# Altium PCB V1_PCB-main.PcbDoc (part 6 of 7) (continued)
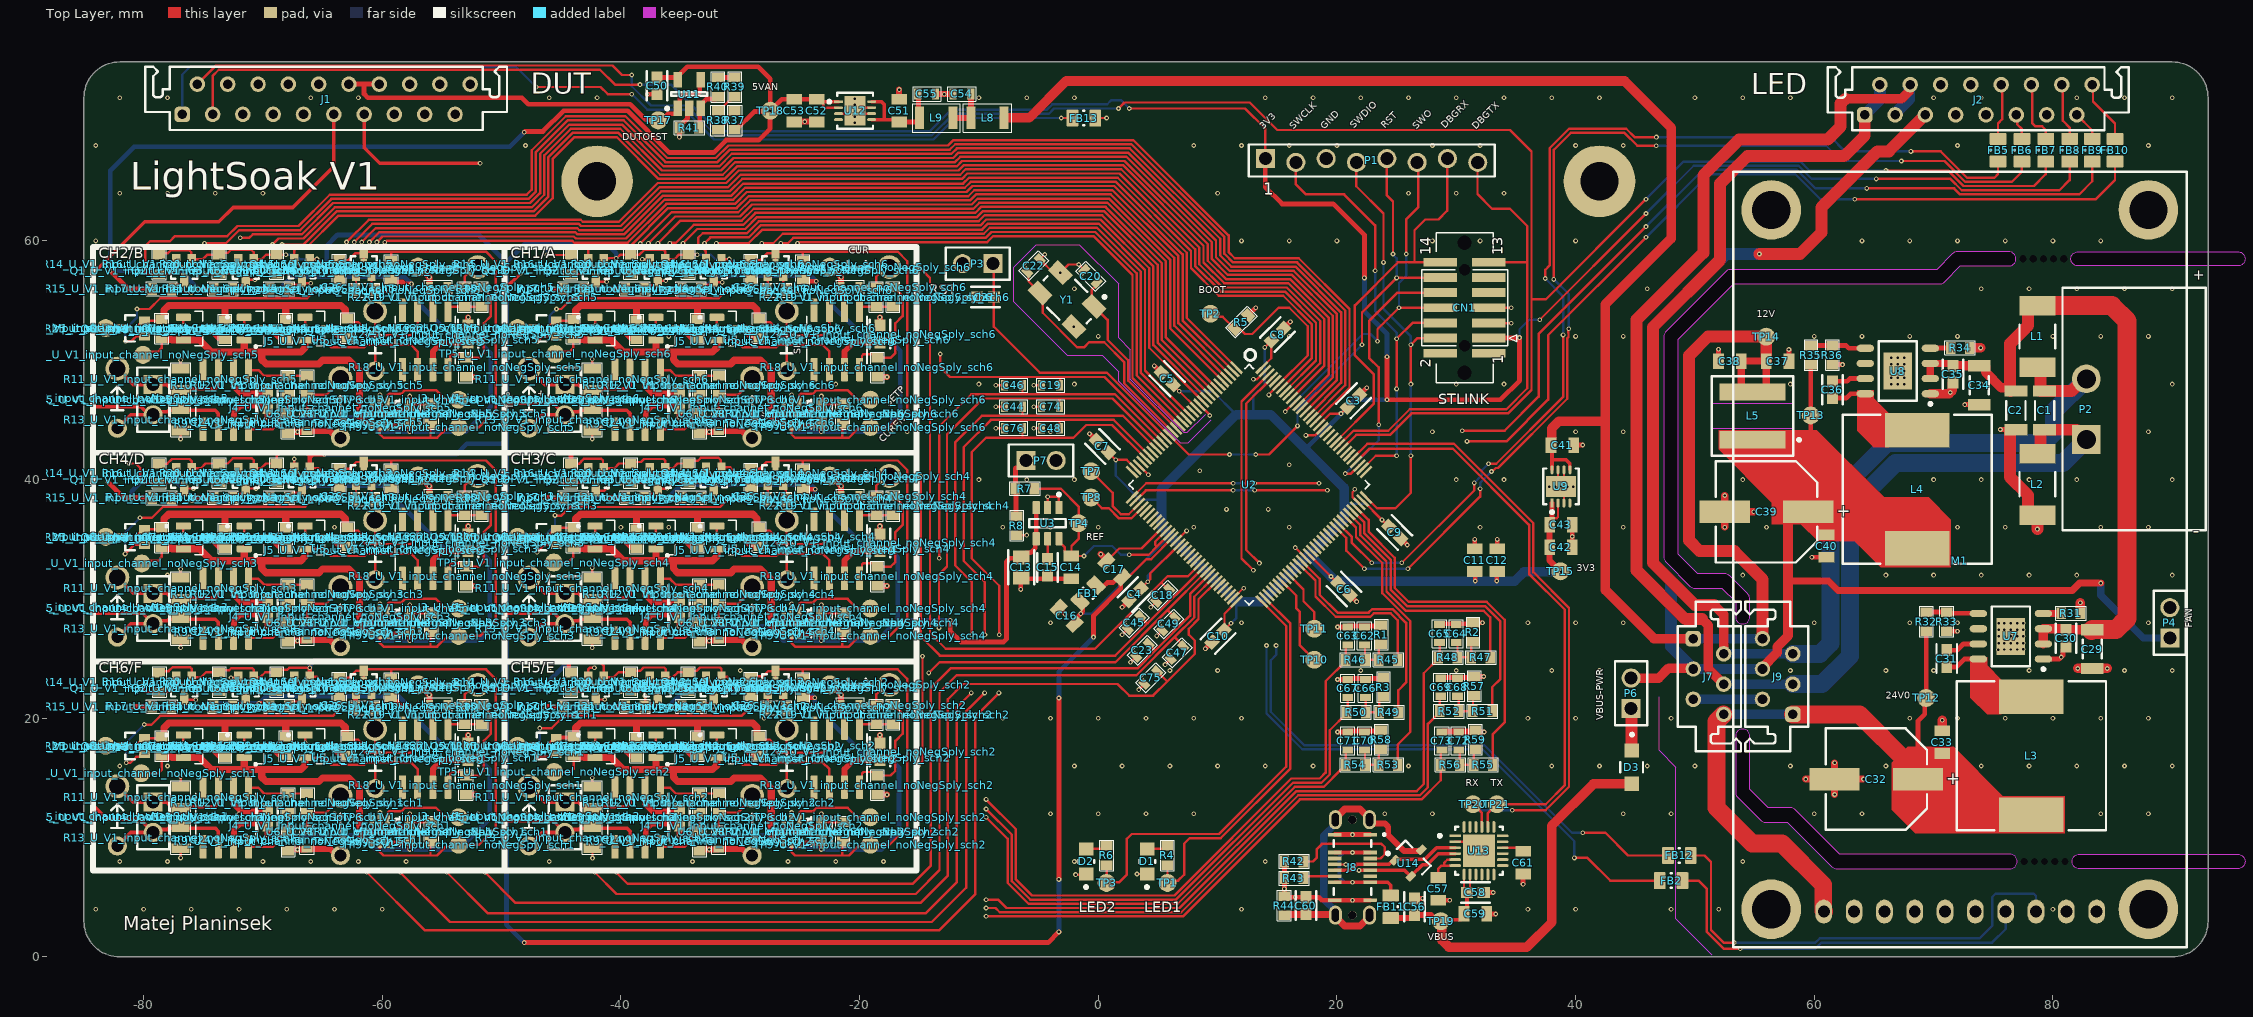
[diagram p0: Top Layer view]
## Nets (pads, with @x,y where several pads share a name; then routed paths per layer and width w, separated by ;. In a path a pad name is that pad's centre, name@x,y a point inside that pad or via, vN(x,y) a via of type N, cw(c..) or ccw(c..) an arc to the next point about the centre after c; other vN are vias at no path point) (continued)
  Top Layer w0.2: U5_U_V1_input_channel_noNegSply_sch6.1@-19.995,54.175 -19.995,54.305 -19.8,54.5 R22_U_V1_input_channel_noNegSply_sch6.2@-18.6,54.5 R19_U_V1_input_channel_noNegSply_sch6.1@-17.2,54.5
NetR31_2: R31.2 U7.4 | length 1.5
  Top Layer w0.6: U7.4@79.2,28.77 80.67,28.77 R31.2@80.7,28.8
NetR32_1: R32.1 R33.2 U7.5 | length 4.4
  Top Layer w0.4: R32.1@69.4,28.9 R33.2@71.1,28.9 71.192,28.808 73.712,28.808 U7.5@73.75,28.77
NetR34_2: R34.2 U8.4 | length 1.7
  Top Layer w0.4: U8.4@69.725,51.005 69.74,51.02 71.41,51.02 R34.2@71.425,51.035
NetR35_1: R35.1 R36.2 U8.5 | length 4.6
  Top Layer w0.4: R35.1@59.725,51.235 R36.2@61.525,51.235 62.665,51.235 62.895,51.005 U8.5@64.275,51.005
NetR37_2: R37.2 R38.2 | length 2.3
  Top Layer w0.2: R38.2@-31.875,69.3 -31.775,69.3 -31.2,69.875 -31.2,70.275 -30.575,70.9 R37.2@-30.475,70.9
NetR38_1: R38.1 R39.1 | length 1.9
  Top Layer w0.2: R38.1@-31.875,70.9 -31.775,70.9 -30.875,71.8 -30.775,71.8 R39.1@-30.475,72.1
NetR39_2: R39.2 R40.2 | length 1.4
  Top Layer w0.4: R40.2@-31.875,73.7 R39.2@-30.475,73.7
NetR40_1: R40.1 R41.2 U11.3 | length 3.7
  Top Layer w0.4: R41.2@-33.475,69.5 -33.4,69.575 -33.4,71.025 U11.3@-33.325,71.1 -33.325,71.4 -32.825,71.9 -32.075,71.9 R40.1@-31.875,72.1
PWM-SETP-1: R45.2 U2.76 | length 14.3
  Top Layer w0.2: U2.76@17.016,32.716 18.2,31.531 18.2,30.2 19.9,28.5 22.8,28.5 23.1,28.8 24.5,28.8 25.1,28.2 R45.2@25.1,24.9
PWM-SETP-2: R47.2 U2.91 | length 20.7
  Top Layer w0.2: U2.91@21.032,37.11 21.95,36.192 21.95,35.35 24.15,33.15 24.15,30.635 25.785,29 32.3,29 32.85,28.45 R47.2@32.85,25.1
PWM-SETP-3: R49.2 U2.77 | length 19.7
  Top Layer w0.2: U2.77@17.084,33.162 18.55,31.696 18.55,30.345 20.045,28.85 22.655,28.85 22.955,29.15 24.645,29.15 25.8,27.995 25.8,23 25.15,22.35 R49.2@25.15,20.5
PWM-SETP-4: R51.2 U2.92 | length 26
  Top Layer w0.2: U2.92@21.314,37.392 22.3,36.406 22.3,35.495 24.5,33.295 24.5,30.78 25.88,29.4 32.4,29.4 33.7,28.1 33.7,23.3 33,22.6 R51.2@33,20.6
PWM-SETP-5: R53.2 U2.90 | length 23.4
  Top Layer w0.2: U2.90@20.75,36.828 21.6,35.978 21.6,35.2 23.8,33 23.8,30.49 26.15,28.14 26.15,18.85 25.1,17.8 R53.2@25.1,16.1
PWM-SETP-6: R55.2 U2.93 | length 31
  Top Layer w0.2: U2.93@21.596,37.674 22.65,36.62 22.65,35.64 24.85,33.44 24.85,30.925 26.025,29.75 32.55,29.75 34.05,28.25 34.05,19.65 33.05,18.65 R55.2@33.05,16.1
PWRGND: C1.2 J2.3 J2.4 J7.4 J9.3 L2.1 P2.1 | length 126.2
  Top Layer w0.8: 50.6,28.3 51.1,27.8 51.1,24.176 52.4,22.876 J7.4@52.4,22.86 ; 62.6,71.9 67.3,71.9 67.944,72.544 67.944,73.004 J2.4@68.04,73.1
  Top Layer w1: 50.6,28.3 49.2,28.3 45.1,32.4 45.1,53.4 50.7,59 50.7,65.5 53.7,68.5 61.116,68.5 62.2,69.584 62.2,71.5 62.6,71.9 ; L2.1@78.7,42.175 78.95,42.425 78.95,44.152 78.973,44.174 C1.2@79.3,44.174 81.986,44.174 P2.1@82.8,43.36
  Bottom Layer w0.8: J7.4@52.4,22.86 J9.3@58.2,22.86
  Bottom Layer w1: J2.3@66.77,70.56 66.77,70.695 67.944,71.87 67.944,73.004 J2.4@68.04,73.1
  Bottom Layer w1.5: J9.3@58.2,22.86 60.66,22.86 63,25.2 63,37.6 66.8,41.4 80.84,41.4 P2.1@82.8,43.36
RNG-1X_U_V1_input_channel_noNegSply_sch1: Q3_U_V1_input_channel_noNegSply_sch1.3 Q8_U_V1_input_channel_noNegSply_sch1.1 R21_U_V1_input_channel_noNegSply_sch1.1 | length 6.4
  Top Layer w0.2: R21_U_V1_input_channel_noNegSply_sch1.1@-67.825,21 -67.825,21.1 -67.525,21.4 -66.9,21.4 Q3_U_V1_input_channel_noNegSply_sch1.3@-66.725,21.575 Q3_U_V1_input_channel_noNegSply_sch1.3@-66.725,22.2 ; v1(-66.725,20.775) Q3_U_V1_input_channel_noNegSply_sch1.3@-66.725,21.575 ; v1(-66.467,17.933) Q8_U_V1_input_channel_noNegSply_sch1.1@-66.467,18.603
  Inner layer 2 w0.2: v1(-66.725,20.775) -66.725,18.246 -66.467,17.988 v1(-66.467,17.933)
RNG-1X_U_V1_input_channel_noNegSply_sch2: Q3_U_V1_input_channel_noNegSply_sch2.3 Q8_U_V1_input_channel_noNegSply_sch2.1 R21_U_V1_input_channel_noNegSply_sch2.1 | length 6.4
  Top Layer w0.2: R21_U_V1_input_channel_noNegSply_sch2.1@-33.325,21 -33.1,21.225 -32.475,21.225 -32.225,21.475 Q3_U_V1_input_channel_noNegSply_sch2.3@-32.225,21.575 ; Q3_U_V1_input_channel_noNegSply_sch2.3@-32.225,22.2 Q3_U_V1_input_channel_noNegSply_sch2.3@-32.225,21.575 ; v1(-32.2,20.725) -32.2,21.55 Q3_U_V1_input_channel_noNegSply_sch2.3@-32.225,21.575 ; v1(-31.967,17.933) Q8_U_V1_input_channel_noNegSply_sch2.1@-31.967,18.603
  Inner layer 2 w0.2: v1(-32.2,20.725) -32.2,20.671 -31.967,20.437 v1(-31.967,17.933)
RNG-1X_U_V1_input_channel_noNegSply_sch3: Q3_U_V1_input_channel_noNegSply_sch3.3 Q8_U_V1_input_channel_noNegSply_sch3.1 R21_U_V1_input_channel_noNegSply_sch3.1 | length 6.7
  Top Layer w0.2: v1(-66.811,38.211) -67.536,38.211 R21_U_V1_input_channel_noNegSply_sch3.1@-67.825,38.5 -67.825,38.6 -67.525,38.9 -66.9,38.9 Q3_U_V1_input_channel_noNegSply_sch3.3@-66.725,39.075 Q3_U_V1_input_channel_noNegSply_sch3.3@-66.725,39.7 ; v1(-66.467,35.433) Q8_U_V1_input_channel_noNegSply_sch3.1@-66.467,36.103
  Inner layer 2 w0.2: v1(-66.811,38.211) -66.811,38.193 -66.467,37.849 v1(-66.467,35.433)
RNG-1X_U_V1_input_channel_noNegSply_sch4: Q3_U_V1_input_channel_noNegSply_sch4.3 Q8_U_V1_input_channel_noNegSply_sch4.1 R21_U_V1_input_channel_noNegSply_sch4.1 | length 6.3
  Top Layer w0.2: R21_U_V1_input_channel_noNegSply_sch4.1@-33.325,38.5 -33.075,38.25 v1(-32.2,38.25) -32.2,39.05 Q3_U_V1_input_channel_noNegSply_sch4.3@-32.225,39.075 Q3_U_V1_input_channel_noNegSply_sch4.3@-32.225,39.7 ; v1(-31.967,35.433) Q8_U_V1_input_channel_noNegSply_sch4.1@-31.967,36.103
  Inner layer 2 w0.2: v1(-32.2,38.25) -32.2,38.196 -31.967,37.962 v1(-31.967,35.433)
RNG-1X_U_V1_input_channel_noNegSply_sch5: Q3_U_V1_input_channel_noNegSply_sch5.3 Q8_U_V1_input_channel_noNegSply_sch5.1 R21_U_V1_input_channel_noNegSply_sch5.1 | length 7.1
  Top Layer w0.2: R21_U_V1_input_channel_noNegSply_sch5.1@-67.825,56 -67.825,56.025 -67.525,56.325 -66.975,56.325 Q3_U_V1_input_channel_noNegSply_sch5.3@-66.725,56.575 ; Q3_U_V1_input_channel_noNegSply_sch5.3@-66.725,57.2 Q3_U_V1_input_channel_noNegSply_sch5.3@-66.725,56.575 ; v1(-66.467,52.933) Q8_U_V1_input_channel_noNegSply_sch5.1@-66.467,53.603 ; v1(-66,56.45) -66.6,56.45 Q3_U_V1_input_channel_noNegSply_sch5.3@-66.725,56.575
  Inner layer 2 w0.2: v1(-66.467,52.933) -66,53.4 v1(-66,56.45)
RNG-1X_U_V1_input_channel_noNegSply_sch6: Q3_U_V1_input_channel_noNegSply_sch6.3 Q8_U_V1_input_channel_noNegSply_sch6.1 R21_U_V1_input_channel_noNegSply_sch6.1 | length 7.2
  Top Layer w0.2: R21_U_V1_input_channel_noNegSply_sch6.1@-33.325,56 -33.325,56.025 -33.025,56.325 -32.475,56.325 Q3_U_V1_input_channel_noNegSply_sch6.3@-32.225,56.575 ; Q3_U_V1_input_channel_noNegSply_sch6.3@-32.225,57.2 Q3_U_V1_input_channel_noNegSply_sch6.3@-32.225,56.575 ; v1(-31.967,52.933) Q8_U_V1_input_channel_noNegSply_sch6.1@-31.967,53.603 ; v1(-31.5,56.525) -32.175,56.525 Q3_U_V1_input_channel_noNegSply_sch6.3@-32.225,56.575
  Inner layer 2 w0.2: v1(-31.967,52.933) -31.5,53.4 v1(-31.5,56.525)
RNG-10X_U_V1_input_channel_noNegSply_sch1: Q2_U_V1_input_channel_noNegSply_sch1.3 Q7_U_V1_input_channel_noNegSply_sch1.1 R17_U_V1_input_channel_noNegSply_sch1.1 | length 6.4
  Top Layer w0.2: R17_U_V1_input_channel_noNegSply_sch1.1@-72.525,21 -72.325,21.2 -71.675,21.2 -71.425,21.45 Q2_U_V1_input_channel_noNegSply_sch1.3@-71.425,21.55 ; v1(-71.567,17.933) Q7_U_V1_input_channel_noNegSply_sch1.1@-71.567,18.603 ; Q2_U_V1_input_channel_noNegSply_sch1.3@-71.425,22.175 Q2_U_V1_input_channel_noNegSply_sch1.3@-71.425,21.55 ; v1(-71.4,20.7) -71.4,21.525 Q2_U_V1_input_channel_noNegSply_sch1.3@-71.425,21.55
  Inner layer 2 w0.2: v1(-71.567,17.933) -71.567,20.1 -71.438,20.228 -71.438,20.662 v1(-71.4,20.7)
RNG-10X_U_V1_input_channel_noNegSply_sch2: Q2_U_V1_input_channel_noNegSply_sch2.3 Q7_U_V1_input_channel_noNegSply_sch2.1 R17_U_V1_input_channel_noNegSply_sch2.1 | length 7.8
  Top Layer w0.2: R17_U_V1_input_channel_noNegSply_sch2.1@-38.025,21 R17_U_V1_input_channel_noNegSply_sch2.1@-37.975,21.05 ; v1(-37.975,21.875) R17_U_V1_input_channel_noNegSply_sch2.1@-37.975,21.05 ; v1(-37.067,17.933) Q7_U_V1_input_channel_noNegSply_sch2.1@-37.067,18.603 ; Q2_U_V1_input_channel_noNegSply_sch2.3@-36.925,22.175 Q2_U_V1_input_channel_noNegSply_sch2.3@-36.925,21.55 -36.925,21.45 -37.175,21.2 -37.825,21.2 R17_U_V1_input_channel_noNegSply_sch2.1@-37.975,21.05
  Inner layer 2 w0.2: v1(-37.975,21.875) -37.067,20.967 v1(-37.067,17.933)
RNG-10X_U_V1_input_channel_noNegSply_sch3: Q2_U_V1_input_channel_noNegSply_sch3.3 Q7_U_V1_input_channel_noNegSply_sch3.1 R17_U_V1_input_channel_noNegSply_sch3.1 | length 8.1
  Top Layer w0.2: R17_U_V1_input_channel_noNegSply_sch3.1@-72.525,38.5 -72.225,38.8 -71.675,38.8 Q2_U_V1_input_channel_noNegSply_sch3.3@-71.425,39.05 ; v1(-71.567,35.433) Q7_U_V1_input_channel_noNegSply_sch3.1@-71.567,36.103 ; Q2_U_V1_input_channel_noNegSply_sch3.3@-71.425,39.675 Q2_U_V1_input_channel_noNegSply_sch3.3@-71.425,39.05 ; v1(-70.575,39.25) -71.225,39.25 Q2_U_V1_input_channel_noNegSply_sch3.3@-71.425,39.05
  Inner layer 2 w0.2: v1(-71.567,35.433) -71.567,38.758 -71.075,39.25 v1(-70.575,39.25)
RNG-10X_U_V1_input_channel_noNegSply_sch4: Q2_U_V1_input_channel_noNegSply_sch4.3 Q7_U_V1_input_channel_noNegSply_sch4.1 R17_U_V1_input_channel_noNegSply_sch4.1 | length 8
  Top Layer w0.2: R17_U_V1_input_channel_noNegSply_sch4.1@-38.025,38.5 -38.025,38.508 -37.725,38.808 -37.167,38.808 Q2_U_V1_input_channel_noNegSply_sch4.3@-36.925,39.05 ; v1(-37.067,35.433) Q7_U_V1_input_channel_noNegSply_sch4.1@-37.067,36.103 ; Q2_U_V1_input_channel_noNegSply_sch4.3@-36.925,39.675 Q2_U_V1_input_channel_noNegSply_sch4.3@-36.925,39.05 ; v1(-36.125,39.275) -36.179,39.275 -36.224,39.23 -36.745,39.23 Q2_U_V1_input_channel_noNegSply_sch4.3@-36.925,39.05
  Inner layer 2 w0.2: v1(-37.067,35.433) -37.067,38.808 -36.638,39.237 -36.163,39.237 v1(-36.125,39.275)
RNG-10X_U_V1_input_channel_noNegSply_sch5: Q2_U_V1_input_channel_noNegSply_sch5.3 Q7_U_V1_input_channel_noNegSply_sch5.1 R17_U_V1_input_channel_noNegSply_sch5.1 | length 7.9
  Top Layer w0.2: R17_U_V1_input_channel_noNegSply_sch5.1@-72.525,56 -72.225,56.3 -71.675,56.3 Q2_U_V1_input_channel_noNegSply_sch5.3@-71.425,56.55 ; v1(-71.567,52.933) Q7_U_V1_input_channel_noNegSply_sch5.1@-71.567,53.603 ; Q2_U_V1_input_channel_noNegSply_sch5.3@-71.425,57.175 Q2_U_V1_input_channel_noNegSply_sch5.3@-71.425,56.55 ; v1@-70.685,56.75 -71.225,56.75 Q2_U_V1_input_channel_noNegSply_sch5.3@-71.425,56.55
  Inner layer 2 w0.2: v1(-71.567,52.933) -71.567,56.333 -71.15,56.75 v1(-70.675,56.75)
RNG-10X_U_V1_input_channel_noNegSply_sch6: Q2_U_V1_input_channel_noNegSply_sch6.3 Q7_U_V1_input_channel_noNegSply_sch6.1 R17_U_V1_input_channel_noNegSply_sch6.1 | length 7.4
  Top Layer w0.2: R17_U_V1_input_channel_noNegSply_sch6.1@-38.025,56 -37.725,56.3 -37.175,56.3 Q2_U_V1_input_channel_noNegSply_sch6.3@-36.925,56.55 ; v1(-37.067,52.933) Q7_U_V1_input_channel_noNegSply_sch6.1@-37.067,53.603 ; Q2_U_V1_input_channel_noNegSply_sch6.3@-36.925,57.175 Q2_U_V1_input_channel_noNegSply_sch6.3@-36.925,56.55 ; v1(-36.25,56.675) -36.8,56.675 Q2_U_V1_input_channel_noNegSply_sch6.3@-36.925,56.55
  Inner layer 2 w0.2: v1(-37.067,52.933) -36.658,53.342 -36.658,56.267 v1(-36.25,56.675)
RNG-100X_U_V1_input_channel_noNegSply_sch1: Q1_U_V1_input_channel_noNegSply_sch1.3 Q6_U_V1_input_channel_noNegSply_sch1.1 R15_U_V1_input_channel_noNegSply_sch1.1 | length 7.7
  Top Layer w0.2: R15_U_V1_input_channel_noNegSply_sch1.1@-77.675,20.975 -77.45,21.2 -76.85,21.2 -76.6,21.45 Q1_U_V1_input_channel_noNegSply_sch1.3@-76.6,21.55 ; v1(-76.667,17.933) Q6_U_V1_input_channel_noNegSply_sch1.1@-76.667,18.603 ; Q1_U_V1_input_channel_noNegSply_sch1.3@-76.6,22.175 Q1_U_V1_input_channel_noNegSply_sch1.3@-76.6,21.55 ; v1(-75.625,21.55) Q1_U_V1_input_channel_noNegSply_sch1.3@-76.6,21.55
  Inner layer 2 w0.2: v1(-76.667,17.933) -75.625,18.975 v1(-75.625,21.55)
RNG-100X_U_V1_input_channel_noNegSply_sch2: Q1_U_V1_input_channel_noNegSply_sch2.3 Q6_U_V1_input_channel_noNegSply_sch2.1 R15_U_V1_input_channel_noNegSply_sch2.1 | length 7.4
  Top Layer w0.2: R15_U_V1_input_channel_noNegSply_sch2.1@-43.175,20.975 -42.875,21.275 -42.35,21.275 -42.1,21.525 Q1_U_V1_input_channel_noNegSply_sch2.3@-42.1,21.55 ; v1(-42.167,17.933) Q6_U_V1_input_channel_noNegSply_sch2.1@-42.167,18.603 ; Q1_U_V1_input_channel_noNegSply_sch2.3@-42.1,22.175 Q1_U_V1_input_channel_noNegSply_sch2.3@-42.1,21.55 ; v1(-41.35,21.575) -42.075,21.575 Q1_U_V1_input_channel_noNegSply_sch2.3@-42.1,21.55
  Inner layer 2 w0.2: v1(-42.167,17.933) -41.35,18.75 v1(-41.35,21.575)
RNG-100X_U_V1_input_channel_noNegSply_sch3: Q1_U_V1_input_channel_noNegSply_sch3.3 Q6_U_V1_input_channel_noNegSply_sch3.1 R15_U_V1_input_channel_noNegSply_sch3.1 | length 7.9
  Top Layer w0.2: R15_U_V1_input_channel_noNegSply_sch3.1@-77.675,38.475 -77.675,38.5 -77.375,38.8 -76.85,38.8 Q1_U_V1_input_channel_noNegSply_sch3.3@-76.6,39.05 ; v1(-76.667,35.433) Q6_U_V1_input_channel_noNegSply_sch3.1@-76.667,36.103 ; Q1_U_V1_input_channel_noNegSply_sch3.3@-76.6,39.675 Q1_U_V1_input_channel_noNegSply_sch3.3@-76.6,39.05 ; v1(-75.825,39.25) -76.4,39.25 Q1_U_V1_input_channel_noNegSply_sch3.3@-76.6,39.05
  Inner layer 2 w0.2: v1(-76.667,35.433) -75.5,36.6 -75.5,38.871 -75.825,39.196 v1(-75.825,39.25)
RNG-100X_U_V1_input_channel_noNegSply_sch4: Q1_U_V1_input_channel_noNegSply_sch4.3 Q6_U_V1_input_channel_noNegSply_sch4.1 R15_U_V1_input_channel_noNegSply_sch4.1 | length 8.4
  Top Layer w0.2: R15_U_V1_input_channel_noNegSply_sch4.1@-43.175,38.475 -42.875,38.775 -42.35,38.775 -42.1,39.025 Q1_U_V1_input_channel_noNegSply_sch4.3@-42.1,39.05 ; v1(-42.167,35.433) Q6_U_V1_input_channel_noNegSply_sch4.1@-42.167,36.103 ; Q1_U_V1_input_channel_noNegSply_sch4.3@-42.1,39.675 Q1_U_V1_input_channel_noNegSply_sch4.3@-42.1,39.05 ; v1(-41.1,39.325) -41.154,39.325 -41.429,39.05 Q1_U_V1_input_channel_noNegSply_sch4.3@-42.1,39.05
  Inner layer 2 w0.2: v1(-42.167,35.433) -42.167,38.808 -41.65,39.325 v1(-41.1,39.325)
RNG-100X_U_V1_input_channel_noNegSply_sch5: Q1_U_V1_input_channel_noNegSply_sch5.3 Q6_U_V1_input_channel_noNegSply_sch5.1 R15_U_V1_input_channel_noNegSply_sch5.1 | length 7
  Top Layer w0.2: R15_U_V1_input_channel_noNegSply_sch5.1@-77.675,55.975 -77.675,56.025 -77.375,56.325 -76.825,56.325 Q1_U_V1_input_channel_noNegSply_sch5.3@-76.6,56.55 ; v1(-76.667,52.933) Q6_U_V1_input_channel_noNegSply_sch5.1@-76.667,53.603 ; Q1_U_V1_input_channel_noNegSply_sch5.3@-76.6,57.175 Q1_U_V1_input_channel_noNegSply_sch5.3@-76.6,56.55 ; v1(-76,55.65) -76.038,55.688 -76.438,55.688 -76.6,55.85 Q1_U_V1_input_channel_noNegSply_sch5.3@-76.6,56.55
  Inner layer 2 w0.2: v1(-76.667,52.933) -76,53.6 v1(-76,55.65)
RNG-100X_U_V1_input_channel_noNegSply_sch6: Q1_U_V1_input_channel_noNegSply_sch6.3 Q6_U_V1_input_channel_noNegSply_sch6.1 R15_U_V1_input_channel_noNegSply_sch6.1 | length 7.9
  Top Layer w0.2: R15_U_V1_input_channel_noNegSply_sch6.1@-43.175,55.975 -43.175,56 -42.875,56.3 -42.35,56.3 Q1_U_V1_input_channel_noNegSply_sch6.3@-42.1,56.55 ; v1(-42.167,52.933) Q6_U_V1_input_channel_noNegSply_sch6.1@-42.167,53.603 ; Q1_U_V1_input_channel_noNegSply_sch6.3@-42.1,57.175 Q1_U_V1_input_channel_noNegSply_sch6.3@-42.1,56.55 ; v1(-41.2,56.575) -42.075,56.575 Q1_U_V1_input_channel_noNegSply_sch6.3@-42.1,56.55
  Inner layer 2 w0.2: v1(-42.167,52.933) -42.167,56.058 -41.612,56.613 -41.238,56.613 v1(-41.2,56.575)
TEC-RX: FB2.2 U2.125 | length 69.3
  Top Layer w0.2: v1(13.5,33) 12.4,34.1 12.4,46.381 U2.125@14.546,48.527 ; v1(39.9,8.3) 41,8.3 42.9,6.4 FB2.2@47.05,6.4
  Inner layer 2 w0.2: v1(13.5,33) 14.1,32.4 v1(14.1,26.1)
  Bottom Layer w0.2: v1(14.1,26.1) 14.1,20.4 17.1,17.4 32.2,17.4 39.9,9.7 v1(39.9,8.3)
TEC-TX: FB12.2 U2.126 | length 71
  Top Layer w0.2: v1(13,32.4) 12,33.4 12,46.545 U2.126@14.264,48.809 ; v1(40.6,10.4) 42.5,10.4 44.4,8.5 FB12.2@47.75,8.5
  Inner layer 2 w0.2: v1(13,32.4) 13.75,31.65 13.75,27.2 13.4,26.85 13.4,25.9 13.9,25.4 14.7,25.4 14.9,25.6 v1(14.9,26.1)
  Bottom Layer w0.2: v1(14.9,26.1) 14.9,25.3 14.45,24.85 14.45,20.545 17.245,17.75 32.35,17.75 39.7,10.4 v1(40.6,10.4)
TEMP-SNS-ONEWIRE: FB7.1 J1.2 U2.104 | length 206.3
  Top Layer w0.2: J1.2@-75.49,73.14 -73.93,74.7 -40.7,74.7 -39.9,73.9 v1(-39.1,73.9) ; v1(1.7,71.1) 2.2,71.6 12.7,71.6 15,69.3 34.5,69.3 36.3,67.5 36.3,61.395 36.3,55.1 ; U2.104@20.468,42.605 21.612,43.75 24.45,43.75 26.25,45.55 34.345,45.55 36.3,47.505 36.3,55.1 ; v1(45.9,63.5) 37.5,55.1 36.3,55.1 ; v1(66,65.9) 71.21,65.9 72.51,64.6 78.4,64.6 79.4,65.6 FB7.1@79.4,66.65
  Bottom Layer w0.2: v1(-39.1,73.9) -39.1,72.964 -37.486,71.35 -34.55,71.35 -32.05,68.85 -13.945,68.85 -12.145,70.65 -4.15,70.65 -3.7,71.1 v1(1.7,71.1) ; v1(45.9,63.5) 49.05,66.65 58.835,66.65 59.585,65.9 v1(66,65.9)
UI-EN_U_V1_input_channel_noNegSply_sch1: Q4_U_V1_input_channel_noNegSply_sch1.3 R24_U_V1_input_channel_noNegSply_sch1.1 R27_U_V1_input_channel_noNegSply_sch1.2 R30_U_V1_input_channel_noNegSply_sch1.1 TP9_U_V1_input_channel_noNegSply_sch1.1 U6_U_V1_input_channel_noNegSply_sch1.5 | length 40.9
  Top Layer w0.2: R30_U_V1_input_channel_noNegSply_sch1.1@-63.5,23.5 R30_U_V1_input_channel_noNegSply_sch1.1@-63.6,23.4 -62.775,23.4 -62.2,23.975 Q4_U_V1_input_channel_noNegSply_sch1.3@-61.55,23.975 ; Q4_U_V1_input_channel_noNegSply_sch1.3@-61.55,23.35 Q4_U_V1_input_channel_noNegSply_sch1.3@-61.55,23.975 ; U6_U_V1_input_channel_noNegSply_sch1.5@-60.2,9.55 -60.2,8.8 -59.9,8.5 -55.961,8.5 ; R24_U_V1_input_channel_noNegSply_sch1.1@-58.95,23.65 R24_U_V1_input_channel_noNegSply_sch1.1@-59.25,23.35 -59.25,24.05 -59.2,24.1 ; R27_U_V1_input_channel_noNegSply_sch1.2@-55.9,9.7 -55.961,9.639 -55.961,8.5 ; Q4_U_V1_input_channel_noNegSply_sch1.3@-61.55,23.975 -61.425,24.1 -59.2,24.1 ; -59.2,24.1 -51.3,24.1 -50.5,23.3 -50.5,10.8 -51.9,9.4 TP9_U_V1_input_channel_noNegSply_sch1.1@-53.6,9.4 -53.75,9.25 -54.65,9.25 -55.4,8.5 -55.961,8.5
UI-EN_U_V1_input_channel_noNegSply_sch2: Q4_U_V1_input_channel_noNegSply_sch2.3 R24_U_V1_input_channel_noNegSply_sch2.1 R27_U_V1_input_channel_noNegSply_sch2.2 R30_U_V1_input_channel_noNegSply_sch2.1 TP9_U_V1_input_channel_noNegSply_sch2.1 U6_U_V1_input_channel_noNegSply_sch2.5 | length 40.3
  Top Layer w0.2: R30_U_V1_input_channel_noNegSply_sch2.1@-29.1,23.4 -28.975,23.525 -28.075,23.525 -27.65,23.95 -27.075,23.95 Q4_U_V1_input_channel_noNegSply_sch2.3@-27.05,23.975 ; Q4_U_V1_input_channel_noNegSply_sch2.3@-27.05,23.35 -27.05,23.875 Q4_U_V1_input_channel_noNegSply_sch2.3@-27.05,23.975 ; U6_U_V1_input_channel_noNegSply_sch2.5@-25.7,9.55 -25.7,8.8 -25.4,8.5 -21.461,8.5 ; R24_U_V1_input_channel_noNegSply_sch2.1@-24.75,23.35 -24.75,24.05 -24.7,24.1 ; R27_U_V1_input_channel_noNegSply_sch2.2@-21.4,9.7 -21.461,9.639 -21.461,8.5 ; Q4_U_V1_input_channel_noNegSply_sch2.3@-27.05,23.975 -26.925,24.1 -24.7,24.1 ; -24.7,24.1 -16.8,24.1 -16,23.3 -16,10.9 -17.5,9.4 TP9_U_V1_input_channel_noNegSply_sch2.1@-19.1,9.4 -19.25,9.25 -20.15,9.25 -20.9,8.5 -21.461,8.5
UI-EN_U_V1_input_channel_noNegSply_sch3: Q4_U_V1_input_channel_noNegSply_sch3.3 R24_U_V1_input_channel_noNegSply_sch3.1 R27_U_V1_input_channel_noNegSply_sch3.2 R30_U_V1_input_channel_noNegSply_sch3.1 TP9_U_V1_input_channel_noNegSply_sch3.1 U6_U_V1_input_channel_noNegSply_sch3.5 | length 40.4
  Top Layer w0.2: R30_U_V1_input_channel_noNegSply_sch3.1@-63.6,40.9 -62.75,40.9 -62.175,41.475 Q4_U_V1_input_channel_noNegSply_sch3.3@-61.55,41.475 ; Q4_U_V1_input_channel_noNegSply_sch3.3@-61.55,40.85 Q4_U_V1_input_channel_noNegSply_sch3.3@-61.55,41.475 ; U6_U_V1_input_channel_noNegSply_sch3.5@-60.2,27.05 -60.2,26.3 -59.9,26 -55.961,26 ; R24_U_V1_input_channel_noNegSply_sch3.1@-59.25,40.85 -59.25,41.55 -59.3,41.6 ; R27_U_V1_input_channel_noNegSply_sch3.2@-55.9,27.2 -55.961,27.139 -55.961,26 ; Q4_U_V1_input_channel_noNegSply_sch3.3@-61.55,41.475 -61.425,41.6 -59.3,41.6 ; -59.3,41.6 -51.3,41.6 -50.5,40.8 -50.5,28.2 -51.8,26.9 TP9_U_V1_input_channel_noNegSply_sch3.1@-53.6,26.9 -53.75,26.75 -54.65,26.75 -55.4,26 -55.961,26
UI-EN_U_V1_input_channel_noNegSply_sch4: Q4_U_V1_input_channel_noNegSply_sch4.3 R24_U_V1_input_channel_noNegSply_sch4.1 R27_U_V1_input_channel_noNegSply_sch4.2 R30_U_V1_input_channel_noNegSply_sch4.1 TP9_U_V1_input_channel_noNegSply_sch4.1 U6_U_V1_input_channel_noNegSply_sch4.5 | length 40.3
  Top Layer w0.2: R30_U_V1_input_channel_noNegSply_sch4.1@-29.1,40.9 -28.375,40.9 -27.8,41.475 Q4_U_V1_input_channel_noNegSply_sch4.3@-27.05,41.475 ; Q4_U_V1_input_channel_noNegSply_sch4.3@-27.05,40.85 Q4_U_V1_input_channel_noNegSply_sch4.3@-27.05,41.475 ; U6_U_V1_input_channel_noNegSply_sch4.5@-25.7,27.05 -25.7,26.3 -25.4,26 -21.461,26 ; R24_U_V1_input_channel_noNegSply_sch4.1@-24.75,40.85 -24.75,41.575 -24.775,41.6 ; R27_U_V1_input_channel_noNegSply_sch4.2@-21.4,27.2 -21.461,27.139 -21.461,26 ; Q4_U_V1_input_channel_noNegSply_sch4.3@-27.05,41.475 -26.925,41.6 -24.775,41.6 ; -24.775,41.6 -16.8,41.6 -16,40.8 -16,28.4 -17.5,26.9 TP9_U_V1_input_channel_noNegSply_sch4.1@-19.1,26.9 -19.25,26.75 -20.15,26.75 -20.9,26 -21.461,26
UI-EN_U_V1_input_channel_noNegSply_sch5: Q4_U_V1_input_channel_noNegSply_sch5.3 R24_U_V1_input_channel_noNegSply_sch5.1 R27_U_V1_input_channel_noNegSply_sch5.2 R30_U_V1_input_channel_noNegSply_sch5.1 TP9_U_V1_input_channel_noNegSply_sch5.1 U6_U_V1_input_channel_noNegSply_sch5.5 | length 40.3
  Top Layer w0.2: R30_U_V1_input_channel_noNegSply_sch5.1@-63.6,58.4 -62.825,58.4 -62.25,58.975 Q4_U_V1_input_channel_noNegSply_sch5.3@-61.55,58.975 ; Q4_U_V1_input_channel_noNegSply_sch5.3@-61.55,58.35 Q4_U_V1_input_channel_noNegSply_sch5.3@-61.55,58.975 ; U6_U_V1_input_channel_noNegSply_sch5.5@-60.2,44.55 -60.2,43.8 -59.9,43.5 -55.961,43.5 ; R24_U_V1_input_channel_noNegSply_sch5.1@-59.25,58.35 -59.25,59.1 ; R27_U_V1_input_channel_noNegSply_sch5.2@-55.9,44.7 -55.961,44.639 -55.961,43.5 ; Q4_U_V1_input_channel_noNegSply_sch5.3@-61.55,58.975 -61.425,59.1 -59.25,59.1 ; -59.25,59.1 -51.3,59.1 -50.5,58.3 -50.5,45.8 -51.9,44.4 TP9_U_V1_input_channel_noNegSply_sch5.1@-53.6,44.4 -53.75,44.25 -54.65,44.25 -55.4,43.5 -55.961,43.5
UI-EN_U_V1_input_channel_noNegSply_sch6: Q4_U_V1_input_channel_noNegSply_sch6.3 R24_U_V1_input_channel_noNegSply_sch6.1 R27_U_V1_input_channel_noNegSply_sch6.2 R30_U_V1_input_channel_noNegSply_sch6.1 TP9_U_V1_input_channel_noNegSply_sch6.1 U6_U_V1_input_channel_noNegSply_sch6.5 | length 40.3
  Top Layer w0.2: R30_U_V1_input_channel_noNegSply_sch6.1@-29.1,58.4 -28.3,58.4 -27.725,58.975 Q4_U_V1_input_channel_noNegSply_sch6.3@-27.05,58.975 ; Q4_U_V1_input_channel_noNegSply_sch6.3@-27.05,58.35 Q4_U_V1_input_channel_noNegSply_sch6.3@-27.05,58.975 ; U6_U_V1_input_channel_noNegSply_sch6.5@-25.7,44.55 -25.7,43.8 -25.4,43.5 -21.461,43.5 ; R24_U_V1_input_channel_noNegSply_sch6.1@-24.75,58.35 -24.75,59.05 -24.8,59.1 ; R27_U_V1_input_channel_noNegSply_sch6.2@-21.4,44.7 -21.461,44.639 -21.461,43.5 ; Q4_U_V1_input_channel_noNegSply_sch6.3@-27.05,58.975 -26.925,59.1 -24.8,59.1 ; -24.8,59.1 -16.8,59.1 -16,58.3 -16,45.9 -17.5,44.4 TP9_U_V1_input_channel_noNegSply_sch6.1@-19.1,44.4 -19.25,44.25 -20.15,44.25 -20.9,43.5 -21.461,43.5
USB-CC1: J8.A5 R42.1 | length 9.9
  Top Layer w0.2: R42.1@17.2,8 18,8 18.3,8.3 18.3,9 18.8,9.5 23.7,9.5 24,9.2 24,8.6 23.65,8.25 J8.A5@22.785,8.25
USB-CC2: J8.B5 R43.1 | length 2.7
  Top Layer w0.2: R43.1@17.2,6.6 17.35,6.75 J8.B5@19.815,6.75
USB-SHIELD: C60.1 J8.S1 J8.S2 J8.S3 J8.S4 R44.2 U14.3 | length 26.5
  Top Layer w0.5: J8.S1@22.73,11.5 22.73,11.47 23.007,11.193 24.007,11.193 24.3,10.9 24.3,10.2 25.611,8.889 26.989,8.889 U14.3@27.078,8.978
  Top Layer w0.6: R44.2@15.6,3.5 15.649,3.549 17.351,3.549 C60.1@17.4,3.598 17.449,3.549 19.821,3.549 J8.S4@19.87,3.5 19.87,3.385 20.66,2.595 21.94,2.595 22.73,3.385 J8.S2@22.73,3.5 ; J8.S3@19.87,11.5 19.87,11.615 20.66,12.405 21.94,12.405 22.73,11.615 J8.S1@22.73,11.5
  Bottom Layer w0.6: J8.S4@19.87,3.5 19.87,3.861 18.9,4.831 18.9,10.169 19.87,11.139 J8.S3@19.87,11.5
USB_D_N: J8.A7 J8.B7 U13.4 U14.2 | length 11.3
  Top Layer w0.2: J8.B7@19.815,7.75 v1(20.75,7.75)
  Top Layer w0.3: v1(21.85,7.25) J8.A7@22.785,7.25 25.694,7.25 U14.2@26.194,6.75 27.176,7.732 27.569,7.732 28.486,8.65 U13.4@29.91,8.65
  Bottom Layer w0.2: v1(20.75,7.75) 20.754,7.746 21.054,7.746 21.546,7.254 21.846,7.254 v1(21.85,7.25)
USB_D_P: J8.A6 J8.B6 U13.3 U14.1 | length 10.9
  Top Layer w0.3: J8.B6@19.815,7.25 21.143,7.25 21.643,7.75 J8.A6@22.785,7.75 24.33,7.75 24.674,8.094 U14.1@24.85,8.094 24.939,8.182 27.382,8.182 28.35,9.15 U13.3@29.91,9.15
pads on no net: CN1.0 CN1.1 CN1.2 CN1.9 CN1.11 J1.4 J2.8 J2.9 J2.13 J8. J8.A8 J8.B8 M1.3 M1.4 M1.5 M1.6 M1.9 M1.10 M1.MNT U2.6 U2.14 U2.26 U2.29 U2.32 U2.37 U2.38 U2.39 U2.40 U2.41 U2.48 U2.49 U2.50 U2.51 U2.52 U2.59 U2.60 U2.61 U2.62 U2.67 U2.68 U2.69 U2.70 U2.72 U2.74 U2.75 U2.80 U2.81 U2.82 U2.83 U2.84 U2.85 U2.86 U2.89 U2.97 U2.102 U2.103 U2.107 U2.108 U2.109 U2.124 U4_U_V1_input_channel_noNegSply_sch1.4 U4_U_V1_input_channel_noNegSply_sch1.5 U4_U_V1_input_channel_noNegSply_sch2.4 U4_U_V1_input_channel_noNegSply_sch2.5 U4_U_V1_input_channel_noNegSply_sch3.4 U4_U_V1_input_channel_noNegSply_sch3.5 U4_U_V1_input_channel_noNegSply_sch4.4 U4_U_V1_input_channel_noNegSply_sch4.5 U4_U_V1_input_channel_noNegSply_sch5.4 U4_U_V1_input_channel_noNegSply_sch5.5 U4_U_V1_input_channel_noNegSply_sch6.4 U4_U_V1_input_channel_noNegSply_sch6.5 U5_U_V1_input_channel_noNegSply_sch1.4 U5_U_V1_input_channel_noNegSply_sch1.5 U5_U_V1_input_channel_noNegSply_sch2.4 U5_U_V1_input_channel_noNegSply_sch2.5 U5_U_V1_input_channel_noNegSply_sch3.4 U5_U_V1_input_channel_noNegSply_sch3.5 U5_U_V1_input_channel_noNegSply_sch4.4 U5_U_V1_input_channel_noNegSply_sch4.5 U5_U_V1_input_channel_noNegSply_sch5.4 U5_U_V1_input_channel_noNegSply_sch5.5 U5_U_V1_input_channel_noNegSply_sch6.4 U5_U_V1_input_channel_noNegSply_sch6.5 U7.6 U8.6 U9.4 U12.4 U13.1 U13.9 U13.10 U13.15 U13.17 U13.18 U13.19 U13.22 U13.23 U13.24

## Polygon pours and split planes (outlines as drawn)
GND on Bottom Layer "bot gnd" (solid, remove dead copper, pour order 0): 94,8 62,8 58,12 56,12 53.5,14.5 53.5,30.5 52.5,31.5 50,31.5 48,33.5 48,52 53,57 70.5,57 72,58.5 93.5,58.5 93.5,76 -86,76 -86,-1 94,-1
GND on Bottom Layer "bot gnd pwr" (solid, remove dead copper, pour order 1): 97.5,58.5 72,58.5 70.5,57 53,57 48,52 48,33.5 50,31.5 53,31.5 54.5,30 54.5,13.5 56,12 58,12 62,8 97.5,8
GND on Inner layer 1 "in1 gnd" (solid, remove dead copper, pour order 2): 94,8 62,8 58,12 56,12 53.5,14.5 53.5,30.5 52.5,31.5 50,31.5 48,33.5 48,52 53,57 70.5,57 72,58.5 93.5,58.5 93.5,76 -86,76 -86,-1 94,-1
GND on Inner layer 1 "in1 gnd pwr" (solid, remove dead copper, pour order 3): 97.5,58.5 72,58.5 70.5,57 53,57 48,52 48,33.5 50,31.5 53,31.5 54.5,30 54.5,13.5 56,12 58,12 62,8 97.5,8
GND on Inner layer 2 "in2 gnd" (solid, remove dead copper, pour order 5): 95.5,78 95.5,60 94,58.5 72,58.5 70.5,57 53,57 48,52 48,33.5 50,31.5 52.5,31.5 53.5,30.5 53.5,14.5 56,12 58,12 62,8 95.5,8 95.5,-1.5 -6,-1.5 -6,28 -9.5,31.5 -9.5,52 -11.5,54 -11.5,59.5 -14,62 -21.5,62 -25.5,66 -25.5,78
GND on Inner layer 2 "in2 gnd pwr" (solid, remove dead copper, pour order 4): 97.5,58.5 72,58.5 70.5,57 53,57 48,52 48,33.5 50,31.5 53,31.5 54.5,30 54.5,13.5 56,12 58,12 62,8 97.5,8